# Altium PCB Mother  Board 3D.PcbDoc (part 1 of 4) (continued)
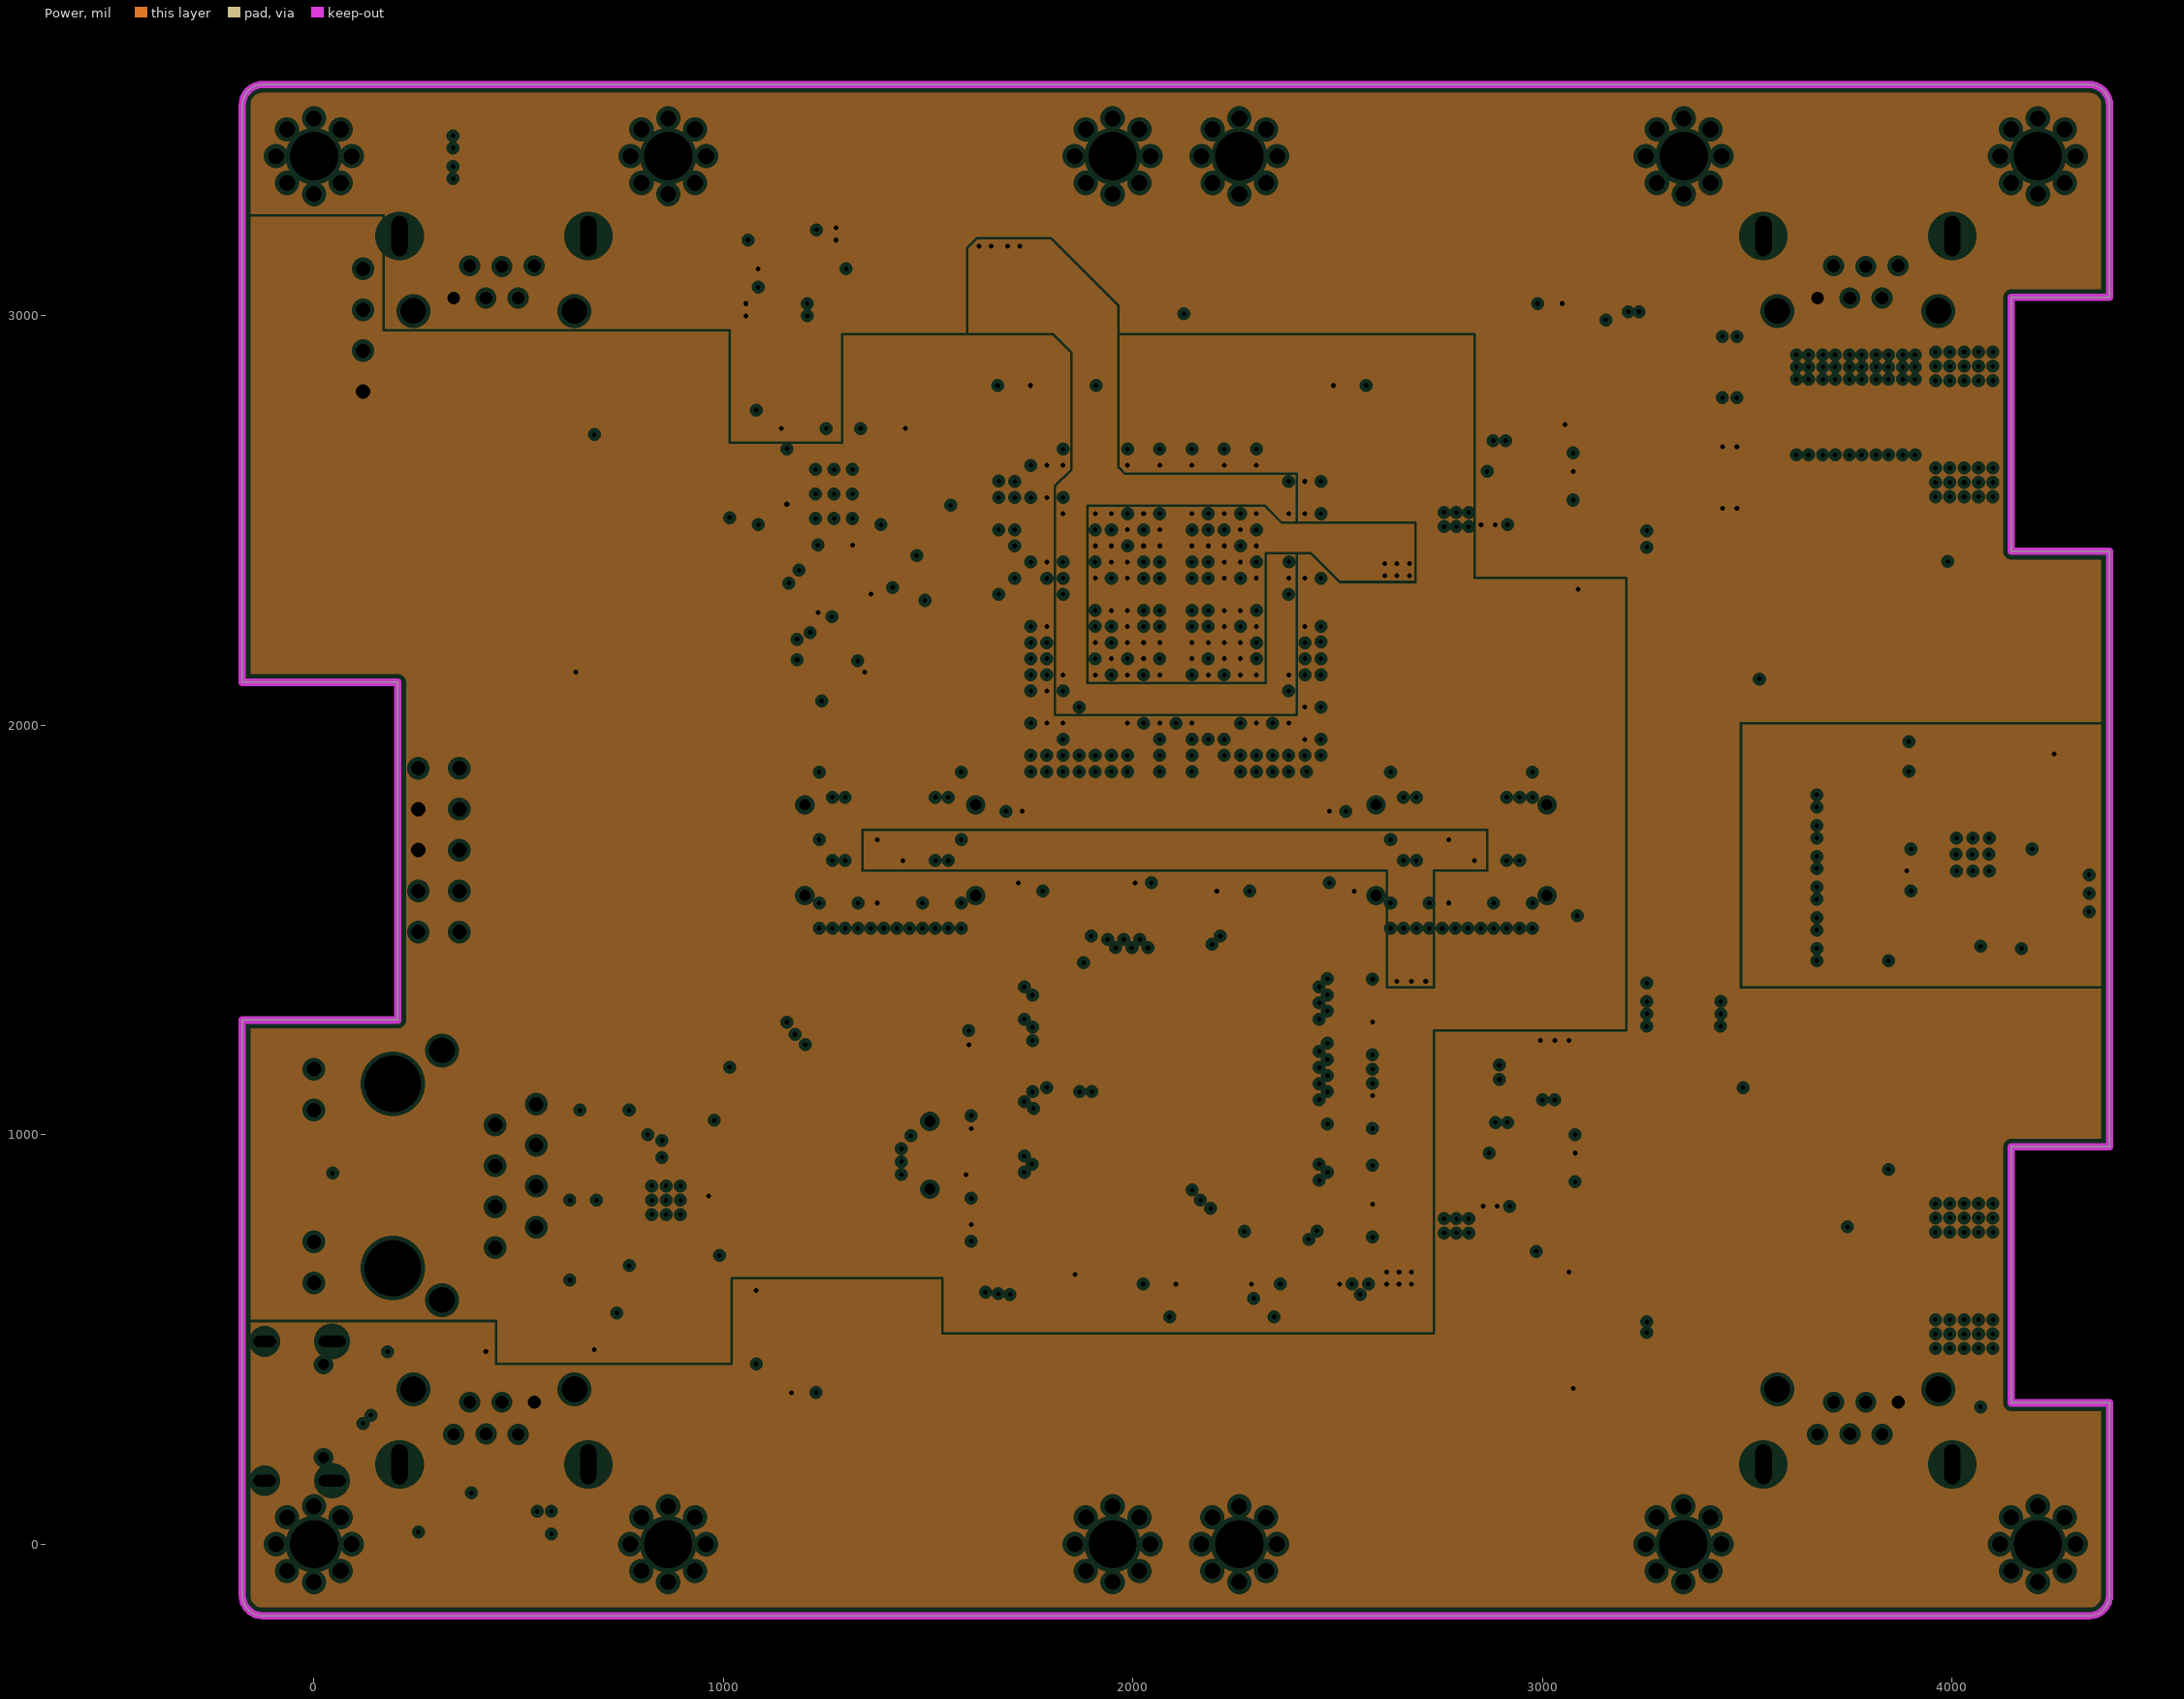
[diagram p3: Power, clearances drawn from the general rule]
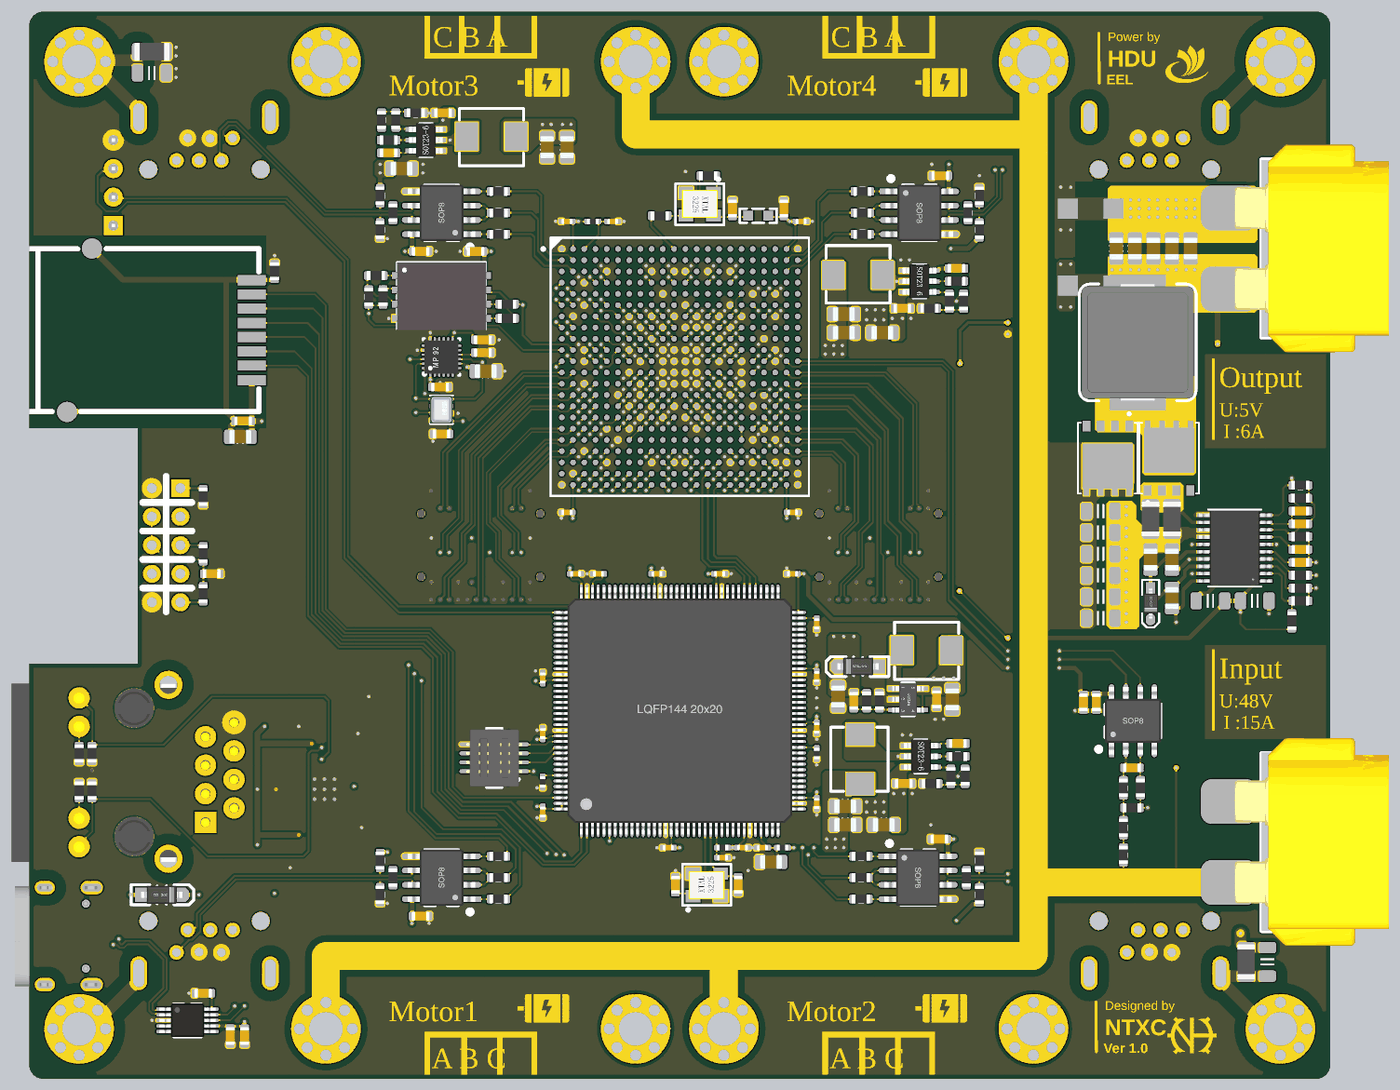
[diagram p7: 3D render of the assembled board from above, using the file's embedded part models]
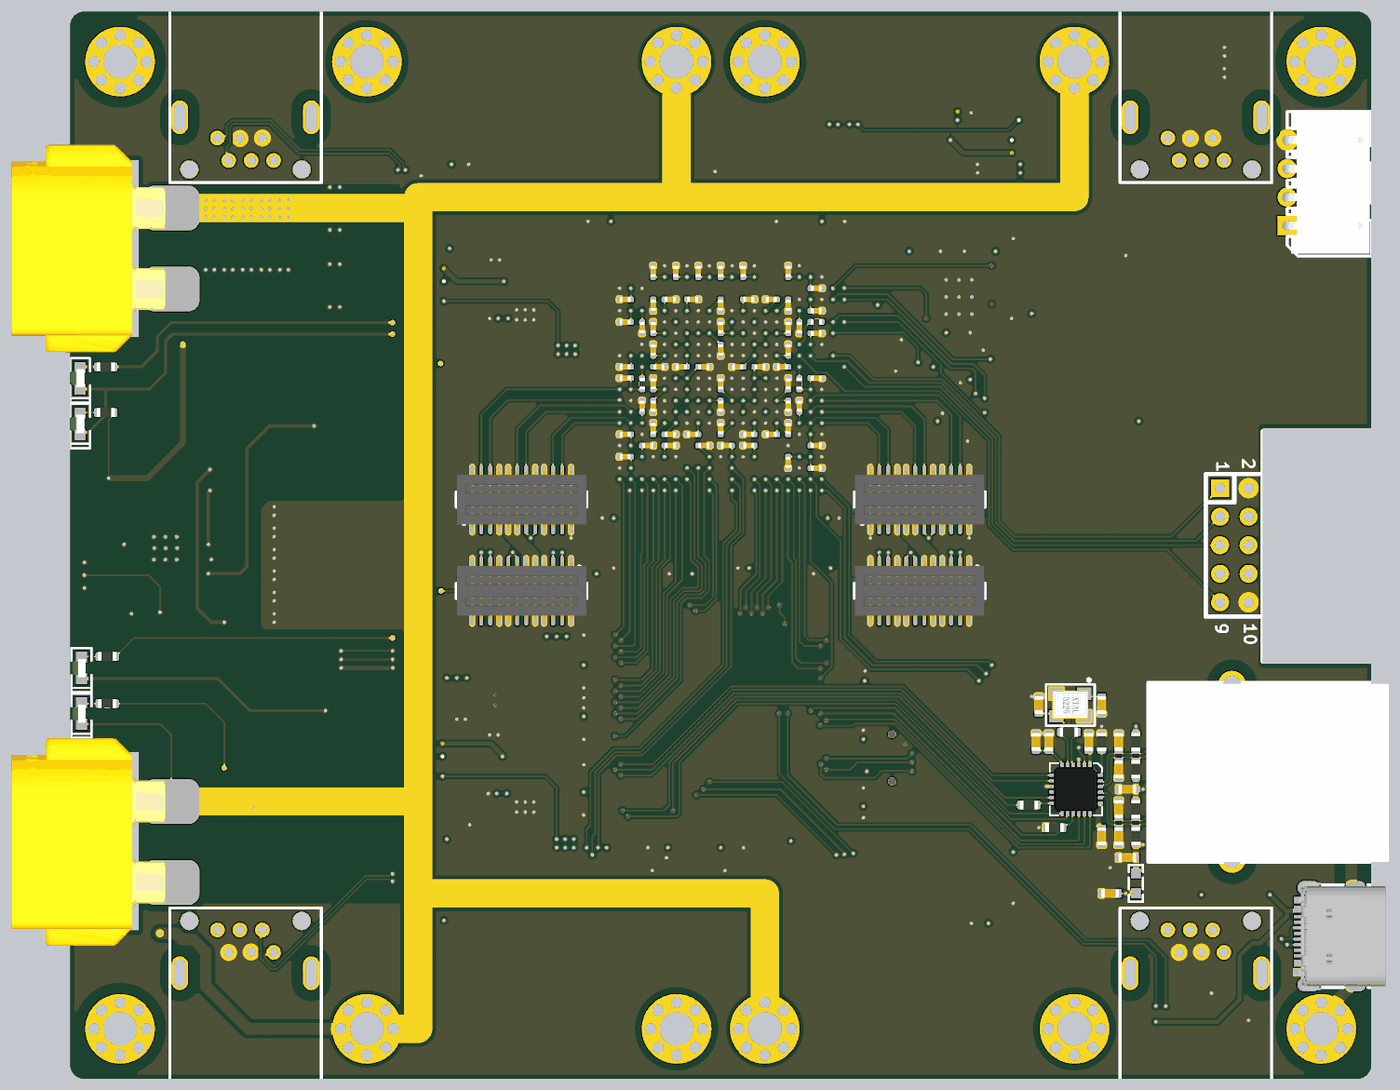
[diagram p8: 3D render of the assembled board from below, using the file's embedded part models]

## Layer stack, top to bottom
Top Solder: solder mask 0.4, Solder Resist, Dk 3.5
Signal 1: signal copper 1.4
Dielectric 2: prepreg 7.6772, PP-006, Dk 4.1
GND: plane copper 0.689, net (Multiple Nets)
Dielectric 1: dielectric 27.5591, FR-4, Dk 4.8
Power: plane copper 0.689, net (Multiple Nets)
Dielectric 3: prepreg 7.6772, PP-006, Dk 4.1
Signal 2: signal copper 1.4
Bottom Solder: solder mask 0.4, Solder Resist, Dk 3.5

## Board outline
-175,-125 -175,1280 205,1280 205,2105 -175,2105 -175,3515 cw(c-125,3515) -125,3565 4335,3565 cw(c4335,3515) 4385,3515 4385,3045 4145,3045 4145,2425 4385,2425 4385,970 4145,970 4145,345 4385,345 4385,-125 cw(c4335,-125) 4335,-175 -125,-175 cw(c-125,-125)

## Design rules (kind name [scope] priority, off if disabled: settings)
Clearance PGND [InNet('PGND') vs not  OnLayer('Keep-Out Layer')] p1: gap=13.39 ignorepadtopadclearanceinfootprint=FALSE
Clearance Vp5V [InNetClass('Vp5V') vs not InNetClass('Vp5V')] p2: gap=11.81 ignorepadtopadclearanceinfootprint=FALSE
Clearance Vin [InNet('Vin')] p3: gap=11.81 ignorepadtopadclearanceinfootprint=FALSE
Clearance Vpower [InNet('Vpower') vs not (OnLayer('Keep-Out Layer') or InNet('P_UVLO'))] p4: gap=23.62 ignorepadtopadclearanceinfootprint=FALSE
Clearance EARTH [InNetClass('EARTH') vs NOT( OnLayer('Keep-Out Layer') OR InNet('USB EARTH') or InNet('HOLE1')or InNet('HOLE2'))] p5: gap=39.37 ignorepadtopadclearanceinfootprint=FALSE
Clearance [All] p6: gap=6 ignorepadtopadclearanceinfootprint=FALSE
ComponentClearance [All] p1: gap=0 collisioncheckmode=3 verticalgap=0 showdistances=FALSE
DiffPairsRouting [All] p1: maxlimit=10 minlimit=6 mostfreqgap=6 toplayer_minwidth=6 toplayer_maxwidth=15 toplayer_prefwidth=6 bottomlayer_minwidth=6 bottomlayer_maxwidth=15 bottomlayer_prefwidth=6 maxuncoupledlength=500
Height [All] p1: minheight=0 maxheight=1000 prefheight=157.48
MatchedLengths [InNetClass('FSMC')] p1: tolerance=50 checknetsindiffpair=FALSE checkdiffpairvsdiffpair=TRUE checkxsignals=TRUE checkothers=TRUE
PlaneClearance [All] p1: clearance=10
PlaneConnect [All] p1: planeconnectstyle=Direct reliefexpansion=20 reliefentries=4 reliefconductorwidth=10 reliefairgap=10
PolygonConnect [All] p1: connectstyle=Direct reliefconductorwidth=10 reliefentries=4 polygonreliefangle="90 Angle" airgapwidth=10
RoomDefinition D3 [InComponentClass('D3')] p1: confinementstyle=ConfineIn formatcopy=TRUE lockcomponents=FALSE outline 2105,3625 165,3625 165,1695 2105,1695
RoomDefinition D4 [InComponentClass('D4')] p2: confinementstyle=ConfineIn formatcopy=TRUE lockcomponents=FALSE outline 4045,3625 2105,3625 2105,1695 4045,1695
RoomDefinition D2 [InComponentClass('D2')] p3: confinementstyle=ConfineIn formatcopy=TRUE lockcomponents=FALSE outline 2105,-235 4045,-235 4045,1695 2105,1695
RoomDefinition D1 [InComponentClass('D1')] p4: confinementstyle=ConfineIn formatcopy=TRUE lockcomponents=FALSE outline 165,-235 2105,-235 2105,1695 165,1695
RoutingVias [All] p1: holewidth=12 width=20 viastyle="Through Hole" minholewidth=12 minwidth=20 maxholewidth=28 maxwidth=50
SolderMaskExpansion [All] p1: expansion=4 istentingtop=FALSE
Width [All] p1: maxlimit=140 minlimit=6 preferedwidth=6
25 further rules are at their usual default settings.

## Classes and differential pairs
net class EARTH: EARTH EARTH1 EARTH1_D1 EARTH1_D2 EARTH1_D3 EARTH1_D4 EARTH2_D2 EARTH2_D3 EARTH2_D4
component class STM32: C126 C127 C128 C129 C130 C131 C132 C133 C134 C135 C136 C137 C138 C139 C140 C141 C142 C143 C144 JP7 R59 R60 R61 R62 U15 X2
component class FPGA: C57 C58 C59 C60 C61 C62 C63 C64 C65 C66 C67 C68 C69 C70 C71 C72 C73 C74 C75 C76 C77 C78 C79 C80 C81 C82 C83 C84 C85 C86 C87 C88 C89 C90 C91 C92 C93 C94 C95 C96 C97 C98 C99 C100 C101 C102 C103 C104 C105 C106 C107 C108 C109 C110 C111 C112 C113 C114 C115 C117 C118 C119 C120 C121 C122 C123 C124 C125 C147 FB2 JP6 R45 R46 R47 R48 R49 R50 R51 R52 R53 R54 R55 R56 R57 R58 U13 U14 Y1
channel class "Mother Board Driver Interface": D1 D2 D3 D4
component class USB: C54 C55 C56 U12 USB1
component class Power: C2 C3 C4 C5 C6 C7 C8 C9 C10 C11 C12 C13 C14 C15 C16 C17 C18 C19 C20 C21 C22 C23 C24 C25 C26 C27 C28 C29 C30 C31 C32 C33 C34 C35 CP1 CP2 CP3 CP4 CP5 CP6 CP7 CP8 D1 D2 D3 JP3 JP4 L1 L2 L3 L4 L5 LED1 LED2 LED3 LED4 M1 M2 NT1 NT2 R7 R8 R9 R10 R11 R12 R13 R14 R15 R16 R17 R18 R19 R20 R21 R22 R23 R24 R25 R26 R27 R28 R29 R30 R31 R32 R66 R67 R68 R69 RS1 RS2 U2 U3 U4 U5 U6 U7
component class "Mother Board Main": C116 C148 H3 H4 H5 H6 LOGO1 R64 R65
component class LCD: JP5
component class IMU: C36 C37 C38 C39 C40 U8 U9
component class Ethernet: C41 C42 C43 C44 C45 C46 C47 C48 C49 C50 C51 C52 C53 FB1 R33 R34 R35 R36 R37 R38 R39 R40 R41 R42 R43 R44 U10 U11 X1
component class D4: C1_D4 H1_D4 H2_D4 JP1_D4 JP2_D4 R1_D4 R2_D4 R3_D4 R4_D4 R5_D4 R6_D4 U1_D4
component class D3: C1_D3 H1_D3 H2_D3 JP1_D3 JP2_D3 R1_D3 R2_D3 R3_D3 R4_D3 R5_D3 R6_D3 U1_D3
component class D2: C1_D2 H1_D2 H2_D2 JP1_D2 JP2_D2 R1_D2 R2_D2 R3_D2 R4_D2 R5_D2 R6_D2 U1_D2
component class D1: C1_D1 H1_D1 H2_D1 JP1_D1 JP2_D1 R1_D1 R2_D1 R3_D1 R4_D1 R5_D1 R6_D1 U1_D1
component class NRF24L01: C145 C146 R63 U16
differential pair USB_D: +USB_D_P -USB_D_N
differential pair TXD: +TXD_P -TXD_N
differential pair RXD: +RXD_P -RXD_N
differential pair 485_D4: +485_D4_P -485_D4_N
differential pair 485_D3: +485_D3_P -485_D3_N
differential pair 485_D2: +485_D2_P -485_D2_N
differential pair 485_D1: +485_D1_P -485_D1_N

## Components (designator, comment, footprint, x,y, rotation, side; value= is the part's Value field where it differs from the comment)
C1_D1 "100nF" C0603 1196.65,395 r180 top (schematic designator C1)
C1_D2 "100nF" C0603 3015,665 r0 top (schematic designator C1)
C1_D3 "100nF" C0603 1196.65,2725 r180 top (schematic designator C1)
C1_D4 "100nF" C0603 3018.35,2990 r0 top (schematic designator C1)
C2 "1uF" C0805 3830,1510 r90 top
C3 "47uF" C0805 3635,2735 r90 top
C4 "47uF" C0805 3700,2735 r90 top
C5 "47uF" C0805 3765,2735 r90 top
C6 "47uF" C0805 3830,2735 r90 top
C7 "22uF" C0805 3895,2735 r90 top
C8 "6.8nF" C0603 4280,1815 r180 top
C9 "150pF" C0603 4280,1770 r180 top
C10 "10nF" C0603 4280,1680 r180 top
C11 "270pF" C0603 4280,1635 r180 top
C12 "1uF" C0805 3830,1645 r90 top
C13 "1uF" C0805 3755,1645 r90 top
C14 "1uF" C0603 3080,1000 r180 top
C15 "1uF" C0603 1085,3070 r0 top
C16 "1uF" C0603 3075,2665 r180 top
C17 "22uF" C0805 2685,715 r0 top
C18 "22uF" C0805 2685,780 r0 top
C19 "22uF" C0805 1710,3090 r270 top
C20 "22uF" C0805 1640,3090 r270 top
C21 "22uF" C0805 2680,2505 r0 top
C22 "22uF" C0805 2680,2440 r0 top
C23 "22uF" C0805 2820,715 r0 top
C24 "100nF" C0603 2890,860 r180 top
C25 "22uF" C0805 1130,3015 r180 top
C26 "100nF" C0603 1275,3210 r0 top
C27 "22uF" C0805 2815,2440 r0 top
C28 "100nF" C0603 2885,2525 r180 top
C29 "4.7pF" C0603 2715,1150 r90 top
C30 "4.7uF" C0805 2660,1165 r90 top
C31 "10uF" C0805 3060,1155 r90 top
C32 "100nF" C0603 3005,1155 r90 top
C33 "330pF" C0603 3690,915 r180 top
C34 "100nF" C0603 3520,1145 r270 top
C35 "2.2uF" C0603 3565,1145 r270 top
C36 "100nF" C0603 1265,2250 r180 top
C37 "100nF" C0603 1270,2085 r0 top
C38 "100nF" C0603 1415,2415 r180 top
C39 "10nF" C0805 1425,2305 r180 top
C40 "100nF" C0603 1415,2370 r180 top
C41 "10pF" C0603 709.99,770.18 r270 bottom
C42 "10pF" C0603 709.99,675.18 r90 bottom
C43 "10pF" C0603 709.99,1005.18 r270 bottom
C44 "10pF" C0603 709.99,910.18 r90 bottom
C45 "22nF" C0603 679.99,840.18 r180 bottom
C46 "100nF" C0603 740,475 r180 bottom
C47 "10uF" C0603 680,600 r180 bottom
C48 "22pF" C0603 770,1135 r270 bottom
C49 "22pF" C0603 990,1135 r90 bottom
C50 "10uF" C0603 954.99,1005.18 r90 bottom
C51 "100nF" C0603 999.99,1005.18 r90 bottom
C52 "100nF" C0603 769.99,675 r270 bottom
C53 "100nF" C0603 814.99,1005.18 r90 bottom
C54 "100nF" C0603 435,125 r180 top
C55 "100nF" C0603 530,-25 r270 top
C56 "10uF" C0603 580,-25 r270 top
C57 "100nF" C0402 1870,2830 r180 top
C58 "100nF" C0402 2439.65,2280.94 r180 bottom
C59 "100nF" C0402 1770.35,1965.35 r0 bottom
C60 "100nF" C0402 1770.35,2595.59 r0 bottom
C61 "100nF" C0402 1770.35,2044.41 r0 bottom
C62 "100nF" C0402 1868.46,2654.65 r270 bottom
C63 "100nF" C0402 1770.35,2516.85 r0 bottom
C64 "100nF" C0402 1710,2830 r0 top
C65 "100nF" C0402 2341.54,2654.65 r270 bottom
C66 "100nF" C0402 1770.35,2437.8 r0 bottom
C67 "100nF" C0402 2183.43,2654.65 r270 bottom
C68 "100nF" C0402 2164.06,2044.41 r0 bottom
C69 "100nF" C0402 2026.26,2654.65 r270 bottom
C70 "100nF" C0402 2530,2830 r180 top
C71 "100nF" C0402 1710,1810 r0 top
C72 "100nF" C0402 2500,1810 r180 top
C73 "100nF" C0402 2262.17,2654.65 r270 bottom
C74 "100nF" C0402 1770.35,2280.63 r0 bottom
C75 "100nF" C0402 2105,2654.65 r270 bottom
C76 "100nF" C0402 2439.65,2320 r180 bottom
C77 "100nF" C0402 2439.65,2005.04 r180 bottom
C78 "100nF" C0402 2439.65,2083.46 r180 bottom
C79 "100nF" C0402 2439.65,2477.8 r180 bottom
C80 "100nF" C0402 2360.91,2044.41 r0 bottom
C81 "100nF" C0402 1868.78,1985.35 r90 bottom
C82 "100nF" C0402 2282.17,2044.41 r0 bottom
C83 "100nF" C0402 2006.57,2044.41 r180 bottom
C84 "100nF" C0402 2439.65,2556.54 r180 bottom
C85 "100nF" C0402 2085.31,2044.41 r180 bottom
C86 "100nF" C0603 465,1595 r180 top
C87 "100nF" C0402 1868.46,2457.8 r270 bottom
C88 "100nF" C0402 2282.17,2556.54 r0 bottom
C89 "100nF" C0402 2341.54,2103.46 r270 bottom
C90 "100nF" C0402 2203.43,2556.54 r0 bottom
C91 "100nF" C0402 1868.46,2260.94 r270 bottom
C92 "100nF" C0402 2006.57,2556.54 r0 bottom
C93 "100nF" C0402 2282.17,2083.46 r0 bottom
C94 "100nF" C0402 2203.43,2083.46 r180 bottom
C95 "100nF" C0402 2341.54,2457.8 r270 bottom
C96 "100nF" C0402 2341.54,2260.94 r270 bottom
C97 "100nF" C0402 2341.54,2379.06 r270 bottom
C98 "100nF" C0402 2341.54,2536.54 r90 bottom
C99 "100nF" C0402 1868.46,2536.54 r90 bottom
C100 "100nF" C0402 1868.46,2103.46 r270 bottom
C101 "100nF" C0402 2341.54,2182.2 r90 bottom
C102 "100nF" C0402 1927.83,2556.54 r180 bottom
C103 "100nF" C0603 1389.6,2725 r180 top
C104 "100nF" C0402 1868.46,2182.2 r90 bottom
C105 "100nF" C0402 2006.57,2083.46 r180 bottom
C106 "100nF" C0402 2105,2182.2 r90 bottom
C107 "100nF" C0402 1967.2,2320 r0 bottom
C108 "100nF" C0402 2105,2103.46 r270 bottom
C109 "100nF" C0402 2045.94,2320 r180 bottom
C110 "100nF" C0402 1888.46,2320 r180 bottom
C111 "100nF" C0402 1927.83,2083.46 r180 bottom
C112 "100nF" C0402 2242.8,2320 r180 bottom
C113 "100nF" C0402 2164.06,2320 r0 bottom
C114 "100nF" C0402 2105,2260.94 r270 bottom
C115 "100nF" C0402 2105,2457.8 r270 bottom
C116 "1nF/2000V" C1206 4165,235 r270 top
C117 "100nF" C0402 2105,2536.54 r90 bottom
C118 "100nF" C0402 2105,2379.06 r90 bottom
C119 "100nF" C0402 2321.54,2320 r0 bottom
C120 "100nF" C0603 2470,2875 r90 top
C121 "100nF" C0603 2290,2875 r270 top
C122 "100nF" C0402 2380.59,2457.8 r90 bottom
C123 "100nF" C0402 2380.59,2182.2 r270 bottom
C124 "100nF" C0402 1829.41,2182.2 r270 bottom
C125 "100nF" C0402 1829.41,2457.8 r90 bottom
C126 "100nF" C0402 2325,635 r0 top
C127 "100nF" C0402 2245,1595 r0 top
C128 "100nF" C0402 2585,1235 r270 top
C129 "100nF" C0402 2065,635 r180 top
C130 "100nF" C0402 2500,1595 r180 top
C131 "100nF" C0402 1625,760 r270 top
C132 "100nF" C0402 1625,1035 r90 top
C133 "100nF" C0402 1625,1230 r90 top
C134 "100nF" C0402 2025,1595 r0 top
C135 "100nF" C0402 2585,790 r270 top
C136 "100nF" C0402 2585,1055 r270 top
C137 "100nF" C0402 1740,1595 r0 top
C138 "10uF" C0805 2425,585 r180 top
C139 "100nF" C0402 2395,635 r180 top
C140 "100nF" C0402 1820,1595 r0 top
C141 "100nF" C0402 2585,1420 r90 top
C142 "22pF" C0603 2090,505 r270 top
C143 "22pF" C0603 2310,505 r90 top
C144 "100nF" C0402 2255,600 r180 top
C145 "10uF" C0805 565,2075 r180 top
C146 "0.1uF" C0603 575,2130 r180 top
C147 "100nF" C0402 1868.46,2379.06 r270 bottom
C148 "1nF/2000V" C1206 255,3350 r180 top
CP1 "1uF/100V" C1206 3965,1500 r180 top
CP2 "0.1uF/100V" C1206 4120,1500 r180 top
CP3 "0.1uF/100V" C1206 3580.22,1814.21 r180 top
CP4 "47uF/100V" C1206 3580.22,1514.21 r0 top
CP5 "2.2uF/100V" C1206 3580.22,1589.21 r0 top
CP6 "2.2uF/100V" C1206 3580.22,1664.21 r0 top
CP7 "2.2uF/100V" C1206 3580.22,1739.21 r0 top
CP8 "2.2uF/100V" C1206 3580.22,1439.21 r0 top
D1 "MMDL914" SOD-323 3755,1490 r270 top
D2 "MBR0530" SOD-123 2730,1270 r180 top
D3 "MBR0530" SOD-123 290,470 r0 top
FB1 "600Ω@100MHz" "FB 0603" 650,510 r90 bottom
FB2 "600Ω@100MHz" "FB 0603" 2380,2850 r180 top
H1_D1 "HOLE" "定位孔 Φ3 1" 865,0 r0 top (schematic designator H1)
H1_D2 "HOLE" "定位孔 Φ3 1" 2259.58,0 r0 top (schematic designator H1)
H1_D3 "HOLE" "定位孔 Φ3 1" 1950.42,3390 r180 top (schematic designator H1)
H1_D4 "HOLE" "定位孔 Φ3 1" 3345,3390 r180 top (schematic designator H1)
H2_D1 "HOLE" "定位孔 Φ3 1" 1950.42,0 r0 top (schematic designator H2)